# Altium PCB Length Bar Comparator.PcbDoc (part 3 of 6) (continued)
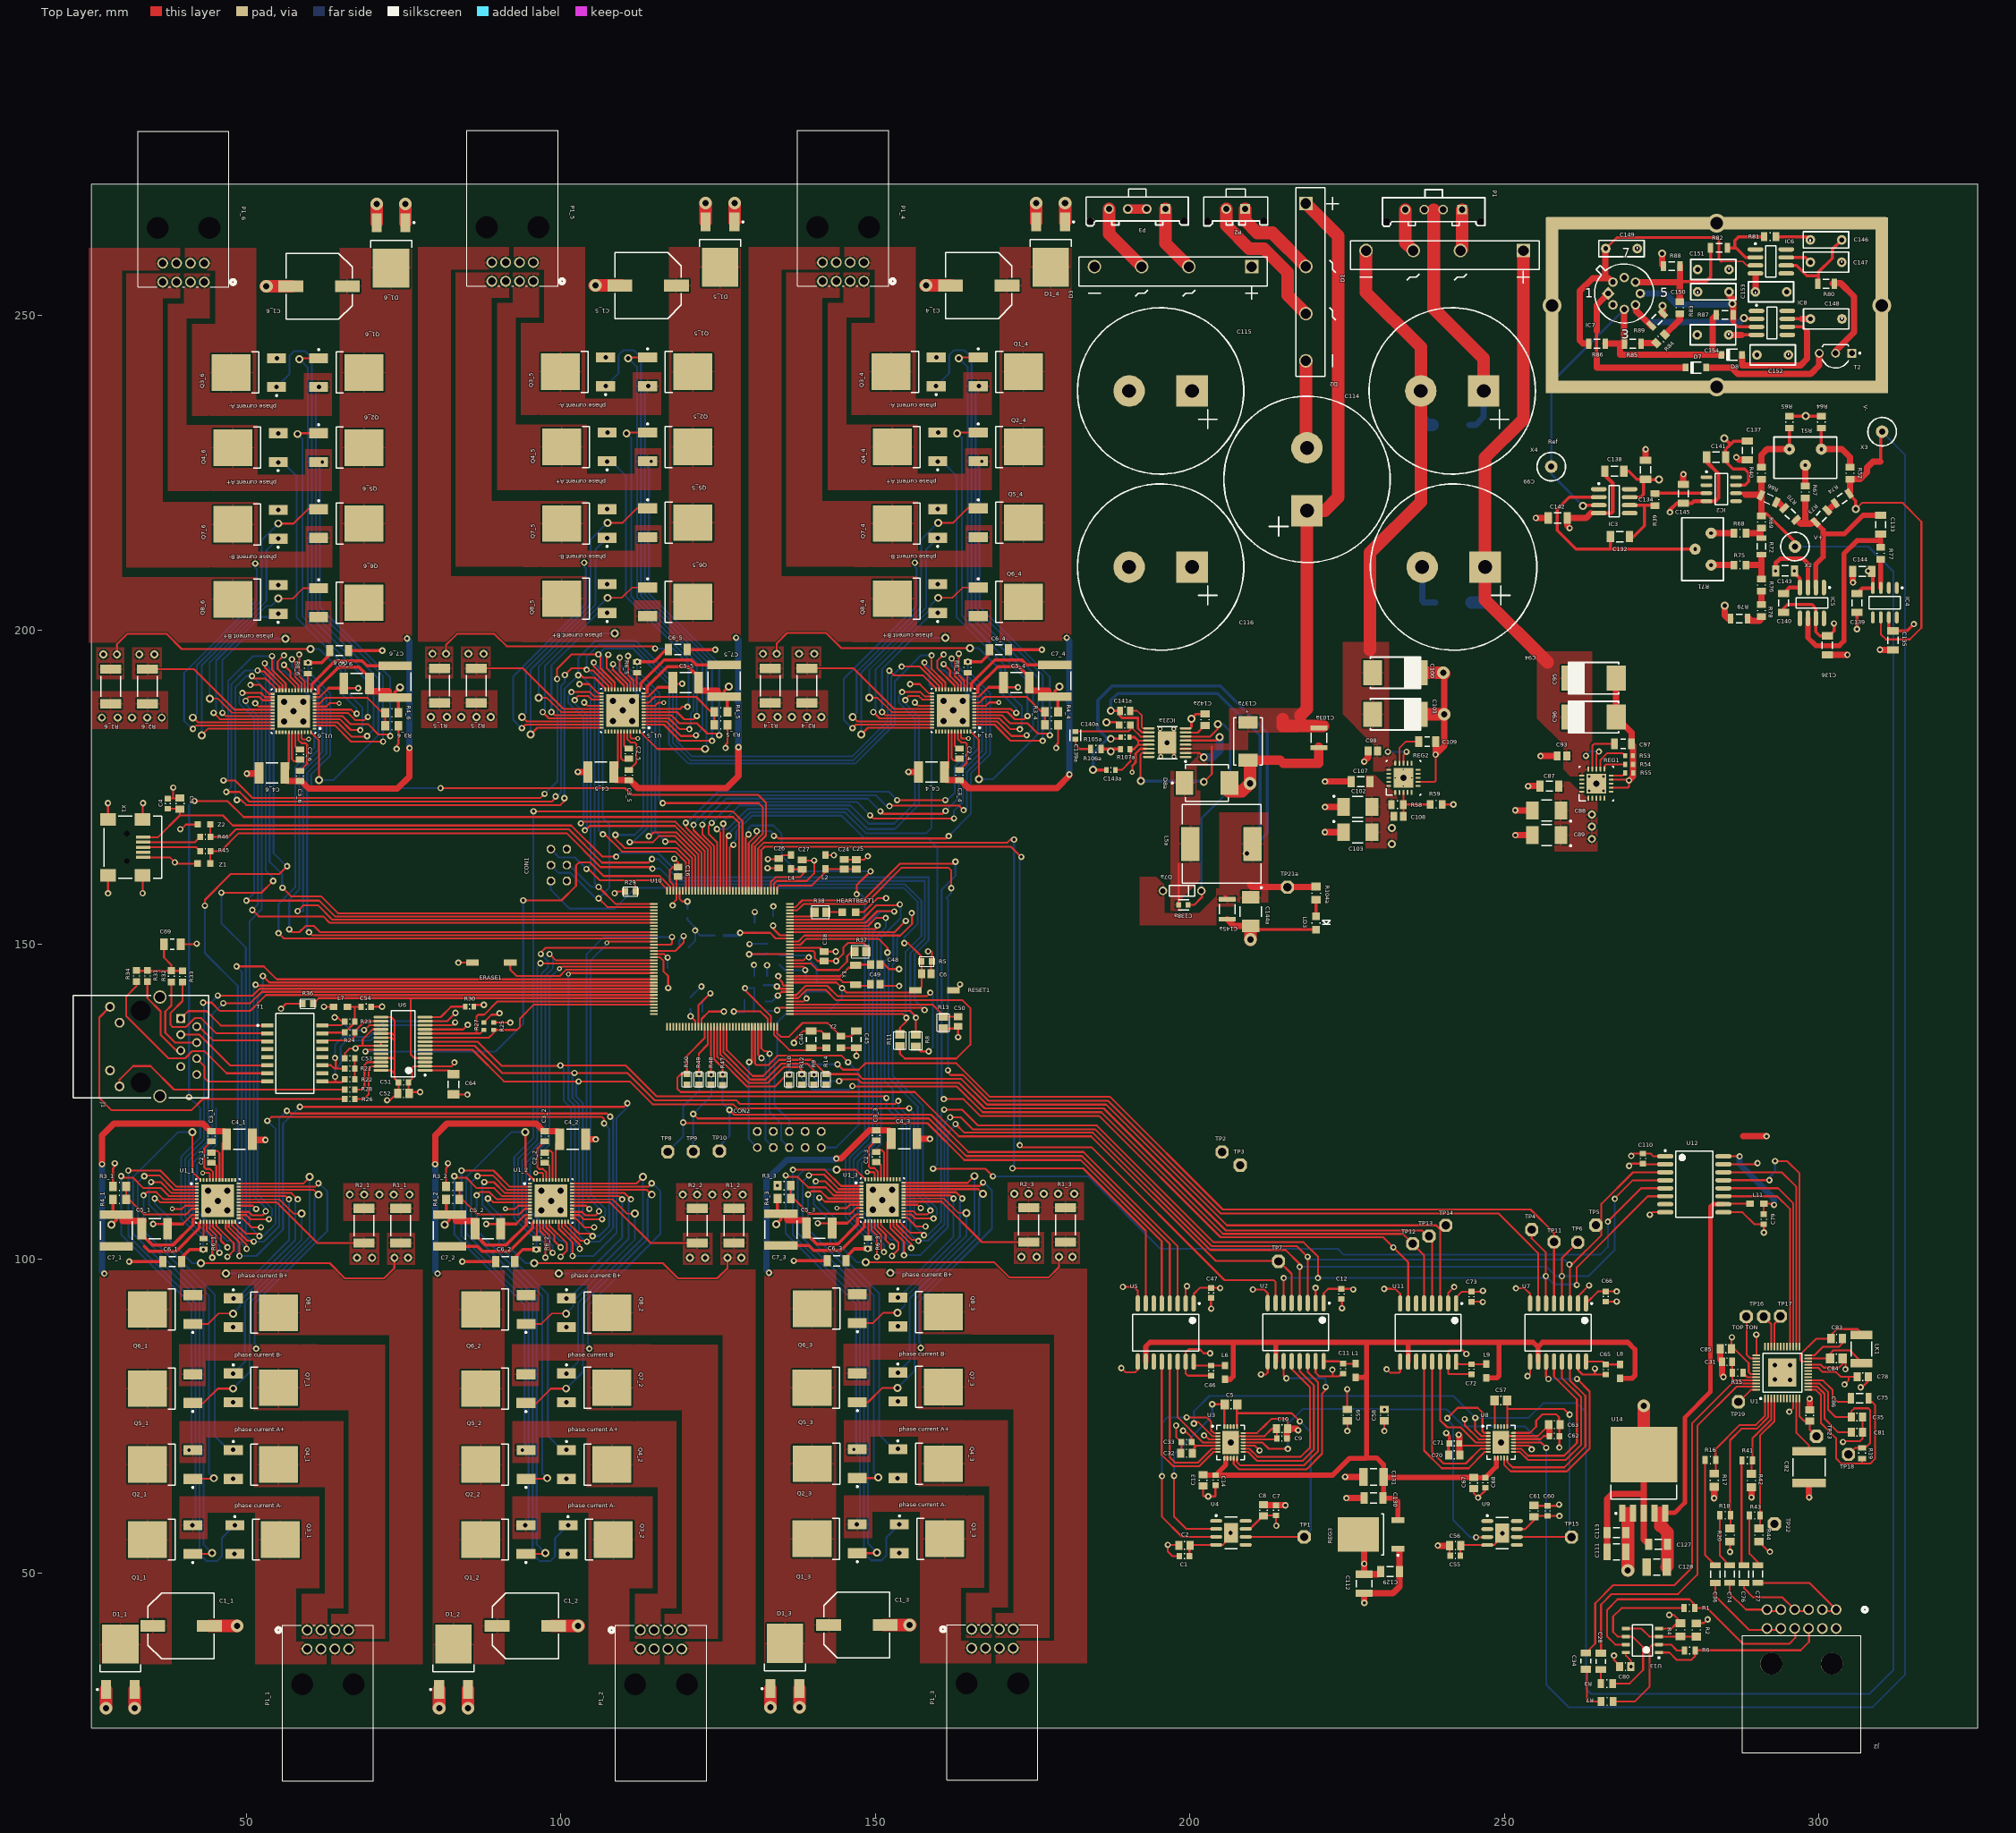
[diagram p0: Top Layer view]
## Nets (pads, with @x,y where several pads share a name; then routed paths per layer and width w, separated by ;. In a path a pad name is that pad's centre, name@x,y a point inside that pad or via, vN(x,y) a via of type N, cw(c..) or ccw(c..) an arc to the next point about the centre after c; other vN are vias at no path point) (continued)
  Top Layer w0.381: v2(186.711,185.325) 188.275,185.325 C140a.1@188.732,184.868 ; v2@187.011,181.056 v2(187.392,180.675) ; 190.821,178.389 191.329,178.897 191.329,180.294 192.132,181.096 IC21a.14@193.039,181.096 ; v5(195.25,184.252) 195.25,183.202 v12(196.367,182.085) ; v5(195.351,179.883) 195.351,181.069 v12(196.367,182.085) ; v5(197.409,184.252) 197.409,183.126 v12(196.367,182.085) ; v5(197.46,179.883) 197.46,180.993 v12(196.367,182.085) ; IC21a.8@198.657,184.324 199.96,184.324 200.219,184.583 v2(200.219,185.882) 200.969,186.631 C142a.1@202.383,186.631 ; C145a.1@205.709,153.842 C145a.1@205.892,154.025 ; C137a.1@208.761,179.429 C137a.1@209.523,178.667 ; C144a.2@209.626,152.969 210.23,152.366 LD3.2@220.04,152.366 ; 214.303,179.278 214.811,178.77
  Top Layer w0.5: v7(28.575,105.41) 29.337,106.172 C7_1.1@29.337,107.046 ; R4_1.1@28.795,109.474 28.795,107.588 C7_1.1@29.337,107.046 ; 30.338,106.045 C7_1.1@29.337,107.046 ; v1(31.369,99.568) C6_1.1@36.703,99.568 ; C5_1.1@33.637,106.045 33.637,103.65 35.052,102.235 38.354,102.235 41.529,105.41 41.529,106.299 ; 61.441,189.992 61.441,190.881 64.616,194.056 67.918,194.056 69.333,192.641 C5_6.1@69.333,190.246 ; C6_6.1@66.267,196.723 v1(71.601,196.723) ; 72.632,190.246 C7_6.1@73.633,189.245 ; R4_6.1@74.175,186.817 74.175,188.703 C7_6.1@73.633,189.245 ; v7(74.395,190.881) 73.633,190.119 C7_6.1@73.633,189.245 ; v7(81.534,105.41) 82.296,106.172 C7_2.1@82.296,107.046 ; R4_2.1@81.754,109.474 81.754,107.588 C7_2.1@82.296,107.046 ; 83.297,106.045 C7_2.1@82.296,107.046 ; v1(84.328,99.568) C6_2.1@89.662,99.568 ; C5_2.1@86.596,106.045 86.596,103.65 88.011,102.235 91.313,102.235 94.488,105.41 94.488,106.299 ; 113.74,190.119 113.74,191.008 116.915,194.183 120.217,194.183 121.632,192.768 C5_5.1@121.632,190.373 ; C6_5.1@120.067,196.85 v1(124.536,196.85) ; 124.931,190.373 C7_5.1@125.932,189.372 ; R4_5.1@126.474,186.944 126.474,188.83 C7_5.1@125.932,189.372 ; v7(126.694,191.008) 125.932,190.246 C7_5.1@125.932,189.372 ; v7(134.214,105.537) 134.976,106.299 C7_3.1@134.976,107.173 ; R4_3.1@134.434,109.601 134.434,107.715 C7_3.1@134.976,107.173 ; 135.977,106.172 C7_3.1@134.976,107.173 ; v1(137.008,99.695) C6_3.1@142.342,99.695 ; C5_3.1@139.276,106.172 139.276,103.777 140.691,102.362 143.993,102.362 147.168,105.537 147.168,106.426 ; 166.293,190.119 166.293,191.008 169.468,194.183 172.77,194.183 174.185,192.768 C5_4.1@174.185,190.373 ; C6_4.1@171.119,196.85 v1(176.453,196.85) ; 177.484,190.373 C7_4.1@178.485,189.372 ; R4_4.1@179.027,186.944 179.027,188.83 C7_4.1@178.485,189.372 ; v7(179.247,191.008) 178.485,190.246 C7_4.1@178.485,189.372 ; R106a.1@185.868,181.056 v2@187.011,181.056 ; v2(187.392,180.675) 187.773,181.056 R107a.1@188.828,181.056
  Top Layer w1: 30.338,106.045 C5_1.1@33.637,106.045 ; C5_6.1@69.333,190.246 72.632,190.246 ; 83.297,106.045 C5_2.1@86.596,106.045 ; C5_5.1@121.632,190.373 124.931,190.373 ; 135.977,106.172 C5_3.1@139.276,106.172 ; C5_4.1@174.185,190.373 177.484,190.373 ; C145a.1@205.892,154.025 206.948,152.969 C144a.2@209.626,152.969
  Top Layer w1.5: C137a.1@209.269,179.278 214.303,179.278 ; 214.811,178.77 220.472,178.77 C103a.1@220.472,181.357
  Top Layer w2: D8a.2@206.14,174.325 208.253,174.325 v4(209.523,175.595) C137a.1@209.523,178.667 ; v4(209.626,150.774) C144a.2@209.626,152.969 ; C114.2@218.415,229.126 D2.4@218.415,242.795
  Bottom Layer w0.305: C15.2@116.992,144.792 117.043,144.741 v1(117.043,143.078) ; C40.2@120.117,154.19 C40.2@120.117,153.936 121.336,152.717 v1(121.336,152.222) ; C39.2@120.333,149.555 121.336,150.558 v1(121.336,152.222) ; C43.2@120.548,141.568 122.307,143.326 v1(122.326,143.307) ; C21.2@123.991,139.294 124.016,139.319 v1(125.908,139.319) ; C37.2@124.421,151.409 122.149,151.409 v1(121.336,152.222) ; v1(127.483,139.319) 127.559,139.243 C29.2@129.171,139.243 129.196,139.268 C30.2@129.196,141.173 ; 130.583,150.038 v1(129.972,150.038) 130.011,150.077 C41.2@132.766,150.077 ; C38.2@130.785,153.455 130.785,155.143 v1(130.81,155.169) ; C20.2@132.512,140.933 133.541,140.933 v1(134.468,141.859) ; C42.2@132.766,145.022 v1(132.766,146.685) ; C17.2@133.731,154.496 133.731,156.032 v1(133.756,156.058) ; C19.2@134.747,148.248 139.229,148.248 139.217,148.236 139.395,148.058 v1(139.395,147.955) 139.395,147.676 140.665,146.406 C22.2@140.665,143.981 140.691,143.955 C23.2@142.545,143.955
  other v3: 43.942,107.696 46.99,107.696 96.901,107.696 99.949,107.696 149.581,107.823 152.629,107.823 45.466,109.22 98.425,109.22 151.105,109.347 43.942,110.871 46.99,110.871 96.901,110.871 99.949,110.871 149.581,110.998 152.629,110.998 55.98,185.42 59.028,185.42 108.279,185.547 111.327,185.547 160.832,185.547 163.88,185.547 57.504,187.071 109.803,187.198 162.356,187.198 55.98,188.595 59.028,188.595 108.279,188.722 111.327,188.722 160.832,188.722 163.88,188.722
"Drain Current1": C1_1.1 C3_1.1 C4_1.2 D1_1.4 Q1_1.4 Q2_1.4 Q5_1.4 Q6_1.4 U1_1.41 | length 51.1
  Top Layer w0.305: U1_1.41@46.216,112.555 46.216,118.352 C4_1.2@46.863,118.999 46.863,120.015 C4_1.2@46.571,120.307
  Top Layer w1: v1(27.051,115.062) 27.051,119.634 28.956,121.539 43.053,121.539 44.285,120.307 C3_1.1@44.45,120.307 C4_1.2@46.571,120.307
  Bottom Layer w1: v1(27.051,115.062) 27.051,98.044 v1(27.432,97.663)
"Drain Current2": C1_2.1 C3_2.1 C4_2.2 D1_2.4 Q1_2.4 Q2_2.4 Q5_2.4 Q6_2.4 U1_2.41 | length 51.1
  Top Layer w0.305: U1_2.41@99.175,112.555 99.175,118.352 C4_2.2@99.822,118.999 99.822,120.015 C4_2.2@99.53,120.307
  Top Layer w1: v1(80.01,115.062) 80.01,119.634 81.915,121.539 96.012,121.539 97.244,120.307 C3_2.1@97.409,120.307 C4_2.2@99.53,120.307
  Bottom Layer w1: v1(80.01,115.062) 80.01,98.044 v1(80.391,97.663)
"Drain Current3": C1_3.1 C3_3.1 C4_3.2 D1_3.4 Q1_3.4 Q2_3.4 Q5_3.4 Q6_3.4 U1_3.41 | length 45.8
  Top Layer w0.305: U1_3.41@151.855,112.682 151.855,118.479 C4_3.2@152.502,119.126 152.502,120.142 C4_3.2@152.21,120.434
  Top Layer w1: v1(143.764,115.951) 144.551,115.951 149.034,120.434 C3_3.1@150.089,120.434 C4_3.2@152.21,120.434
  Bottom Layer w1: v1(133.071,97.79) 132.69,98.171 132.69,112.548 135.915,115.773 143.586,115.773 v1(143.764,115.951)
"Drain Current4": C1_4.1 C3_4.1 C4_4.2 D1_4.4 Q1_4.4 Q2_4.4 Q5_4.4 Q6_4.4 U1_4.41 | length 51.1
  Top Layer w0.305: C4_4.2@161.251,176.111 160.959,176.403 C4_4.2@160.959,177.419 161.606,178.066 U1_4.41@161.606,183.863
  Top Layer w1: C4_4.2@161.251,176.111 C3_4.1@163.372,176.111 163.537,176.111 164.769,174.879 178.866,174.879 180.823,176.836 v1(180.823,177.013)
  Bottom Layer w1: v1(180.39,198.755) 180.823,198.322 v1(180.823,177.013)
"Drain Current5": C1_5.1 C3_5.1 C4_5.2 D1_5.4 Q1_5.4 Q2_5.4 Q5_5.4 Q6_5.4 U1_5.41 | length 51.1
  Top Layer w0.305: C4_5.2@108.698,176.111 108.406,176.403 C4_5.2@108.406,177.419 109.053,178.066 U1_5.41@109.053,183.863
  Top Layer w1: C4_5.2@108.698,176.111 C3_5.1@110.819,176.111 110.984,176.111 112.216,174.879 126.313,174.879 128.218,176.784 v1(128.218,181.356)
  Bottom Layer w1: v1(127.837,198.755) 128.218,198.374 v1(128.218,181.356)
"Drain Current6": C1_6.1 C3_6.1 C4_6.2 D1_6.4 Q1_6.4 Q2_6.4 Q5_6.4 Q6_6.4 U1_6.41 | length 51.1
  Top Layer w0.305: C4_6.2@56.399,175.984 56.107,176.276 C4_6.2@56.107,177.292 56.754,177.939 U1_6.41@56.754,183.736
  Top Layer w1: C4_6.2@56.399,175.984 C3_6.1@58.52,175.984 58.685,175.984 59.917,174.752 74.014,174.752 75.919,176.657 v1(75.919,181.229)
  Bottom Layer w1: v1(75.538,198.628) 75.919,198.247 v1(75.919,181.229)
ENC_CS: R25.2 U6.9 U10.141 | length 39.6
  Top Layer w0.305: U6.9@78.405,135.189 88.58,135.189 89.306,135.915 R25.2@89.306,136.408 92.999,136.408 93.497,136.906 93.497,138.227 95.722,140.451 U10.141@114.803,140.451
ERASE_S: ERASE1.P$1 U10.130 | length 24.8
  Top Layer w0.305: ERASE1.P$1@91.951,147.091 91.951,145.971 92.939,144.983 99.822,144.983 100.79,145.951 U10.130@114.803,145.951
ETH_CLK: U6.23 U10.107 | length 79.2
  Top Layer w0.305: v1(68.936,132.969) 69.205,133.239 U6.23@71.405,133.239 ; v1(94.005,156.997) 100.101,156.997 102.413,159.309 102.413,162.56 102.895,163.043 104.623,163.043 106.782,160.884 115.672,160.884 117.353,159.202 U10.107@117.353,158.501
  Bottom Layer w0.305: v1(68.936,132.969) 89.611,132.969 94.005,137.363 v1(94.005,156.997)
Eth_GND: C69.1 J1.8 | length 2.6
  Top Layer w0.305: C69.1@39.552,150.038 42.037,150.038 v1(42.113,150.114)
ETH_RESET: R27.1 U6.10 U10.140 | length 41.5
  Top Layer w0.305: U6.10@78.405,135.839 86.639,135.839 ; R27.1@87.732,136.408 87.163,135.839 86.639,135.839 ; U10.140@114.803,140.951 89.922,140.951 87.808,138.836 86.868,138.836 86.589,138.557 86.589,135.889 86.639,135.839
INT: R36.1 U6.4 U10.139 | length 66
  Top Layer w0.305: R36.1@60.616,140.564 61.504,141.451 76.124,141.451 ; U6.4@78.405,131.939 76.697,131.939 76.124,132.512 76.124,141.451 ; U10.139@114.803,141.451 76.124,141.451
LDAC1*: R49.1 TP8.TP U5.5 U10.14 | length 116.6
  Top Layer w0.305: v1@119.761,121.691 v1(119.431,121.691) 119.532,121.59 158.267,121.59 164.135,115.722 182.601,115.722 195.504,102.819 U5.5@195.504,92.915 ; R49.1@121.92,129.413 121.92,132.664 123.353,134.097 U10.14@123.353,136.901
  Bottom Layer w0.305: TP8.TP@116.992,117.043 119.431,119.482 v1(119.431,121.691) 119.431,124.206 121.971,126.746 v1(121.971,129.413)
LDAC2*: R12.1 TP12.TP U10.18 U11.5 | length 140.5
  Top Layer w0.305: U10.18@125.353,136.901 125.353,132.508 129.87,127.991 132.918,127.991 135.445,130.518 137.808,130.518 138.278,130.048 R12.1@138.278,129.374 ; v1(146.329,127.483) 146.406,127.406 162.941,127.406 167.03,123.317 185.903,123.317 205.232,103.988 233.807,103.988 237.211,100.584 U11.5@237.211,92.915
  Bottom Layer w0.305: v1(138.278,129.362) 138.278,128.676 140.03,126.924 145.771,126.924 v1(146.329,127.483)
LEDA: R26.2 U6.27 | length 8.7
  Top Layer w0.305: R26.2@67.246,125.4 68.656,125.4 69.444,126.187 69.444,130.226 69.856,130.639 U6.27@71.405,130.639
LEDB: R28.2 U6.26 | length 8
  Top Layer w0.305: R28.2@67.246,126.924 68.275,126.924 68.758,127.406 68.758,130.81 69.236,131.289 U6.26@71.405,131.289
LVDT1_CS*: U1.27 U12.12 | length 34.9
  Top Layer w0.305: U12.12@284.787,111.227 293.472,111.227 295.895,108.803 U1.27@295.895,86.053
LVDT1_OE1: U10.72
MASTER-RESET: C6.2 CON1.5 CON2.6 R5.1 RESET1.P$2 U10.47 | length 133.5
  Top Layer w0.305: U10.47@136.403,143.951 143.78,143.951 145.39,142.342 156.36,142.342 RESET1.P$2@156.741,142.723 ; v1(154.584,150.216) 155.194,150.216 157.291,148.119 R5.1@157.291,147.295 157.34,147.246 C6.2@157.34,145.339 157.34,143.322 RESET1.P$2@156.741,142.723 ; RESET1.P$2@156.36,142.723 RESET1.P$2@156.741,142.723
  Bottom Layer w0.305: CON1.5@98.4,160.071 98.4,158.648 101.371,155.677 108.534,155.677 111.836,158.979 154.508,158.979 156.718,156.769 156.718,153.264 154.584,151.13 v1(154.584,150.216) ; CON2.6@136.296,120.244 136.296,122.047 133.934,124.409 133.934,131.521 134.391,131.978 134.391,137.617 136.169,139.395 142.596,139.395 144.678,141.478 v1(144.678,143.053)
MISO: CON1.1 R29.1 TP4.TP U1_1.24 U1_2.24 U1_3.24 U1_4.24 U1_5.24 U1_6.24 U2.6 U6.6 U7.6 U10.108 U12.6 | length 754.1
  Top Layer w0.305: U1_1.24@48.216,105.885 48.216,105.708 49.911,104.013 51.689,104.013 v1(52.07,103.632) ; v1(48.489,172.974) 49.174,172.974 49.987,172.161 99.924,172.161 100.559,172.796 v1(100.559,173.253) ; v1(50.9,192.659) 51.281,192.278 53.059,192.278 54.754,190.583 U1_6.24@54.754,190.406 ; v1(53.34,121.945) 53.95,122.555 106.553,122.555 106.858,122.25 v1(106.858,121.539) ; U6.6@78.405,133.239 85.938,133.239 90.957,128.219 v1(102.819,128.219) 110.922,128.219 114.554,124.587 127.356,124.587 127.991,123.952 v1(155.372,123.952) ; U1_2.24@101.175,105.885 101.175,105.708 102.87,104.013 104.648,104.013 v1(105.029,103.632) ; v1(102.768,192.811) 103.174,192.811 103.58,192.405 105.358,192.405 107.053,190.71 U1_5.24@107.053,190.533 ; v1(104.064,162.001) 104.369,162.001 106.147,160.223 115.443,160.223 116.853,158.813 U10.108@116.853,158.501 ; R29.1@111.467,158.42 111.836,158.789 111.836,160.223 ; v1(152.197,193.523) 152.933,192.786 157.53,192.786 159.606,190.71 U1_4.24@159.606,190.533 ; U1_3.24@153.855,106.012 153.855,105.835 155.55,104.14 157.328,104.14 v1(157.709,103.759) ; v1(160.909,123.723) 163.779,123.723 166.294,121.209 185.191,121.209 203.759,102.641 218.059,102.641 220.345,100.355 v1(220.345,96.952) ; U2.6@214.884,92.968 v1(214.884,96.952) ; TP4.TP@254.305,104.648 254.305,103.251 256.565,100.99 v1(256.565,97.257) 256.565,92.992 256.616,92.941 U7.6@256.591,92.915 ; v1(261.468,95.86) 261.468,98.654 272.771,109.957 U12.6@275.537,109.957
  Bottom Layer w0.305: v1(48.489,172.974) 48.26,173.203 48.26,190.906 50.013,192.659 v1(50.9,192.659) 52.424,191.135 52.424,155.573 50.546,153.695 50.546,105.156 v1(52.07,103.632) 52.654,103.632 54.661,105.639 54.661,120.625 v1(53.34,121.945) ; CON1.1@98.4,165.151 99.72,163.83 102.235,163.83 v1(104.064,162.001) 104.088,162.001 104.723,162.636 104.723,191.262 103.174,192.811 v1(102.768,192.811) ; v1(100.559,173.253) 100.559,190.627 102.743,192.811 v1(102.768,192.811) ; v1(102.819,128.219) 102.413,127.813 102.413,125.857 103.48,124.79 103.48,105.181 v1(105.029,103.632) 106.07,103.632 107.671,105.232 107.671,120.726 v1(106.858,121.539) ; v1(152.197,193.523) 151.917,193.243 151.917,185.496 146.304,179.883 120.828,179.883 118.364,182.347 118.364,191.795 111.887,198.272 105.486,198.272 102.768,195.555 v1(102.768,192.811) ; v1(155.372,123.952) 155.372,123.825 156.134,123.063 156.134,105.334 v1(157.709,103.759) 158.293,103.759 160.426,105.893 160.426,123.241 v1(160.909,123.723) ; v1(214.884,96.952) v1(220.345,96.952) 256.261,96.952 v1(256.565,97.257) 257.886,95.936 v1@261.468,95.936
MISO*: U1.28 U12.11 | length 33.3
  Top Layer w0.305: U12.11@284.787,109.957 293.319,109.957 295.395,107.88 U1.28@295.395,86.053
MOSI: CON1.4 TP5.TP U1_1.23 U1_2.23 U1_3.23 U1_4.23 U1_5.23 U1_6.23 U2.3 U6.7 U7.3 U10.109 U12.3 | length 760.3
  Top Layer w0.305: v1(46.025,158.217) 52.375,158.217 v1(54.254,160.096) ; v1(46.812,174.244) 48.92,174.244 50.444,172.72 98.577,172.72 99.162,173.304 v1(99.162,173.533) ; U1_1.23@47.716,105.885 47.716,105.319 50.165,102.87 v1@50.927,102.87 ; v1@52.043,193.421 52.805,193.421 55.254,190.972 U1_6.23@55.254,190.406 ; v1(56.439,123.546) 56.439,123.774 57.099,123.114 107.315,123.114 v1(107.823,122.606) ; U6.7@78.405,133.889 86.304,133.889 90.627,129.565 v1(102.159,129.565) 110.541,129.565 114.884,125.222 127.864,125.222 128.448,124.638 153.137,124.638 v1(153.619,125.12) ; v1(100.635,192.837) 101.727,193.929 103.834,193.929 v1(104.088,193.675) ; U1_2.23@100.675,105.885 100.675,105.319 103.124,102.87 v1@103.886,102.87 ; v1@104.342,193.548 105.104,193.548 107.553,191.099 U1_5.23@107.553,190.533 ; v1(105.994,159.131) 108.674,156.451 U10.109@114.803,156.451 ; U1_3.23@153.355,106.012 153.355,105.446 155.804,102.997 v1@156.566,102.997 ; v1(154.153,194.183) 157.022,194.183 160.106,191.099 U1_4.23@160.106,190.533 ; v1(161.874,122.504) 163.551,122.504 165.456,120.599 184.912,120.599 203.505,102.006 217.018,102.006 v1(218.694,100.33) U2.3@218.694,92.968 ; U7.3@260.401,92.915 260.401,99.009 v1(260.299,99.111) 260.731,99.111 265.379,103.759 265.379,108.737 270.408,113.767 U12.3@275.537,113.767
  Bottom Layer w0.305: v1(46.025,158.217) 46.025,153.365 49.911,149.479 49.911,103.759 50.927,102.743 v1(51.181,102.743) 52.756,102.743 55.22,105.207 55.22,122.326 v1(56.439,123.546) ; v1(46.812,174.244) 47.625,175.057 47.625,191.364 49.809,193.548 v1(51.789,193.548) 52.043,193.548 53.059,192.532 53.059,161.774 54.254,160.579 v1(54.254,160.096) ; v1(99.162,173.533) 99.39,173.533 100.025,174.168 100.025,191.084 100.635,191.694 v1(100.635,192.837) ; CON1.4@100.94,162.611 101.321,162.611 104.8,159.131 v1(105.994,159.131) 105.358,159.767 105.358,192.659 104.342,193.675 v1(104.088,193.675) 104.088,195.731 106.02,197.663 111.658,197.663 117.78,191.541 117.78,182.093 120.599,179.273 146.507,179.273 152.502,185.268 152.502,192.532 v1(154.153,194.183) ; v1(102.159,129.565) 101.829,129.235 101.829,125.578 102.87,124.536 102.87,103.759 103.886,102.743 v1(104.14,102.743) 106.121,102.743 108.306,104.927 108.306,122.428 108.128,122.606 v1(107.823,122.606) ; v1(153.619,125.12) 153.619,124.231 155.524,122.326 155.524,103.912 156.566,102.87 v1(156.82,102.87) 158.344,102.87 160.96,105.486 160.96,121.59 v1(161.874,122.504) ; v1(218.694,100.33) 219.151,99.873 259.537,99.873 v1(260.299,99.111)
MOSI*: U1.26 U12.14 | length 38
  Top Layer w0.305: U12.14@284.787,113.767 294.081,113.767 296.395,111.452 U1.26@296.395,86.053
MOTOR_GND: C1_1.2 C1_2.2 C1_3.2 C1_4.2 C1_5.2 C1_6.2 C4_1.1 C4_2.1 C4_3.1 C4_4.1 C4_5.1 C4_6.1 C115.2 C116.2 D3.4 R1_1.1 R1_2.1 R1_3.1 R1_4.1 R1_5.1 R1_6.1 R2_1.1 R2_2.1 R2_3.1 R2_4.1 R2_5.1 R2_6.1 U1_1.8 U1_1.29 U1_2.8 U1_2.29 U1_3.8 U1_3.29 U1_4.8 U1_4.29 U1_5.8 U1_5.29 U1_6.8 U1_6.29 | length 78.2
  Top Layer w0.305: v5(38.227,107.95) 39.751,107.95 40.271,108.47 U1_1.8@42.131,108.47 ; U1_1.29@48.801,108.47 51.042,108.47 v1(51.562,107.95) ; v1(51.408,188.341) 51.928,187.821 U1_6.29@54.169,187.821 ; U1_6.8@60.839,187.821 62.699,187.821 63.219,188.341 v5(64.743,188.341) ; v5(91.186,107.95) 92.71,107.95 93.23,108.47 U1_2.8@95.09,108.47 ; U1_2.29@101.76,108.47 104.001,108.47 v1(104.521,107.95) ; v1(103.707,188.468) 104.227,187.948 U1_5.29@106.468,187.948 ; U1_5.8@113.138,187.948 114.998,187.948 115.493,188.443 v5(116.357,188.443) ; v5(143.866,108.077) 145.39,108.077 145.91,108.597 U1_3.8@147.77,108.597 ; U1_3.29@154.44,108.597 156.681,108.597 v1(157.201,108.077) ; v1(156.26,188.468) 156.78,187.948 U1_4.29@159.021,187.948 ; U1_4.8@165.691,187.948 167.551,187.948 168.071,188.468 v5(169.595,188.468)
  Top Layer w1.016: v1(50.089,177.165) 51.88,177.165 C4_6.1@52.007,177.292 ; C4_1.1@50.963,118.999 51.039,118.923 v1(53.035,118.923) ; v1(102.691,177.419) C4_5.1@104.306,177.419 ; C4_2.1@103.922,118.999 v1(105.537,118.999) ; v1(155.244,177.419) C4_4.1@156.859,177.419 ; C4_3.1@156.602,119.126 156.653,119.075 v1(158.648,119.075)
  Top Layer w2: C1_1.2@44.124,41.656 v4(48.514,41.656) ; v4@53.059,254.635 v4(53.186,254.635) C1_6.2@57.068,254.635 C1_6.2@57.25,254.635 ; C1_2.2@98.679,41.656 C1_2.2@98.861,41.656 v4(102.743,41.656) v4@102.87,41.656 ; v4@105.358,254.762 v4(105.485,254.762) C1_5.2@109.367,254.762 C1_5.2@109.549,254.762 ; C1_3.2@151.359,41.783 C1_3.2@151.541,41.783 v4(155.423,41.783) v4@155.55,41.783 ; v4@157.911,254.762 v4(158.038,254.762) C1_4.2@161.92,254.762 C1_4.2@162.102,254.762
  other v2: 66.421,110.236 68.707,110.236 71.12,110.236 73.406,110.236 75.946,110.236 119.38,110.236 121.666,110.236 124.079,110.236 126.365,110.236 128.905,110.236 172.06,110.363 174.346,110.363 176.759,110.363 179.045,110.363 181.585,110.363 27.024,186.055 29.564,186.055 31.85,186.055 34.263,186.055 36.549,186.055 79.323,186.182 81.863,186.182 84.149,186.182 86.562,186.182 88.848,186.182 131.876,186.182 134.416,186.182 136.702,186.182 139.115,186.182 141.401,186.182
MOTOR_PWR: C115.1 C116.1 D1_1.1 D1_1.3 D1_2.1 D1_2.3 D1_3.1 D1_3.3 D1_4.1 D1_4.3 D1_5.1 D1_5.3 D1_6.1 D1_6.3 D3.1 | length 35.6
  Top Layer w0.305: v4@27.682,28.579 v4(27.686,28.575) ; v4(32.258,28.575) v4@32.262,28.579 ; v4@70.708,267.712 v4(70.712,267.716) ; v4(75.284,267.716) v4@75.288,267.712 ; v4@80.641,28.579 v4(80.645,28.575) ; v4(85.217,28.575) v4@85.221,28.579 ; v4@123.007,267.839 v4(123.011,267.843) ; v4(127.583,267.843) v4@127.587,267.839 ; v4@133.321,28.706 v4(133.325,28.702) ; v4(137.897,28.702) v4@137.901,28.706 ; v4@175.56,267.839 v4(175.564,267.843) ; v4(180.136,267.843) v4@180.14,267.839
  Top Layer w2: v4@27.682,28.579 D1_1.1@27.682,31.541 ; v4@32.262,28.579 D1_1.3@32.262,31.541 ; D1_6.3@70.708,264.75 v4@70.708,267.712 ; D1_6.1@75.288,264.75 v4@75.288,267.712 ; v4@80.641,28.579 D1_2.1@80.641,31.541 ; v4@85.221,28.579 D1_2.3@85.221,31.541 ; D1_5.3@123.007,264.877 v4@123.007,267.839 ; D1_5.1@127.587,264.877 v4@127.587,267.839 ; v4@133.321,28.706 D1_3.1@133.321,31.668 ; v4@137.901,28.706 D1_3.3@137.901,31.668 ; D1_4.3@175.56,264.877 v4@175.56,267.839 ; D1_4.1@180.14,264.877 v4@180.14,267.839
NetC2_1_1: C2_1.1 U1_1.42 | length 5.7
  Top Layer w0.305: C2_1.1@44.45,117.17 45.382,117.17 45.716,116.836 U1_1.42@45.716,112.555
NetC2_1_2: C2_1.2 U1_1.43 | length 3.3
  Top Layer w0.305: C2_1.2@44.45,115.57 45.216,114.804 U1_1.43@45.216,112.555
NetC2_2_1: C2_2.1 U1_2.42 | length 5.7
  Top Layer w0.305: C2_2.1@97.409,117.17 98.341,117.17 98.675,116.836 U1_2.42@98.675,112.555
NetC2_2_2: C2_2.2 U1_2.43 | length 3.3
  Top Layer w0.305: C2_2.2@97.409,115.57 98.175,114.804 U1_2.43@98.175,112.555
NetC2_3_1: C2_3.1 U1_3.42 | length 5.7
  Top Layer w0.305: C2_3.1@150.089,117.297 151.021,117.297 151.355,116.963 U1_3.42@151.355,112.682
NetC2_3_2: C2_3.2 U1_3.43 | length 3.3
  Top Layer w0.305: C2_3.2@150.089,115.697 150.855,114.931 U1_3.43@150.855,112.682
NetC2_4_1: C2_4.1 U1_4.42 | length 5.7
  Top Layer w0.305: U1_4.42@162.106,183.863 162.106,179.582 162.44,179.248 C2_4.1@163.372,179.248
NetC2_4_2: C2_4.2 U1_4.43 | length 3.3
  Top Layer w0.305: U1_4.43@162.606,183.863 162.606,181.614 C2_4.2@163.372,180.848
NetC2_5_1: C2_5.1 U1_5.42 | length 5.7
  Top Layer w0.305: U1_5.42@109.553,183.863 109.553,179.582 109.887,179.248 C2_5.1@110.819,179.248
NetC2_5_2: C2_5.2 U1_5.43 | length 3.3
  Top Layer w0.305: U1_5.43@110.053,183.863 110.053,181.614 C2_5.2@110.819,180.848
NetC2_6_1: C2_6.1 U1_6.42 | length 5.7
  Top Layer w0.305: U1_6.42@57.254,183.736 57.254,179.455 57.588,179.121 C2_6.1@58.52,179.121
NetC2_6_2: C2_6.2 U1_6.43 | length 3.3
  Top Layer w0.305: U1_6.43@57.754,183.736 57.754,181.487 C2_6.2@58.52,180.721
NetC3_1_2: C3_1.2 U1_1.44 | length 7.6
  Top Layer w0.305: C3_1.2@44.45,118.707 43.307,117.564 43.307,114.554 43.561,114.3 44.196,114.3 44.716,113.78 U1_1.44@44.716,112.555